# KiCad board FD.02-01-2021.kicad_pcb (continued)
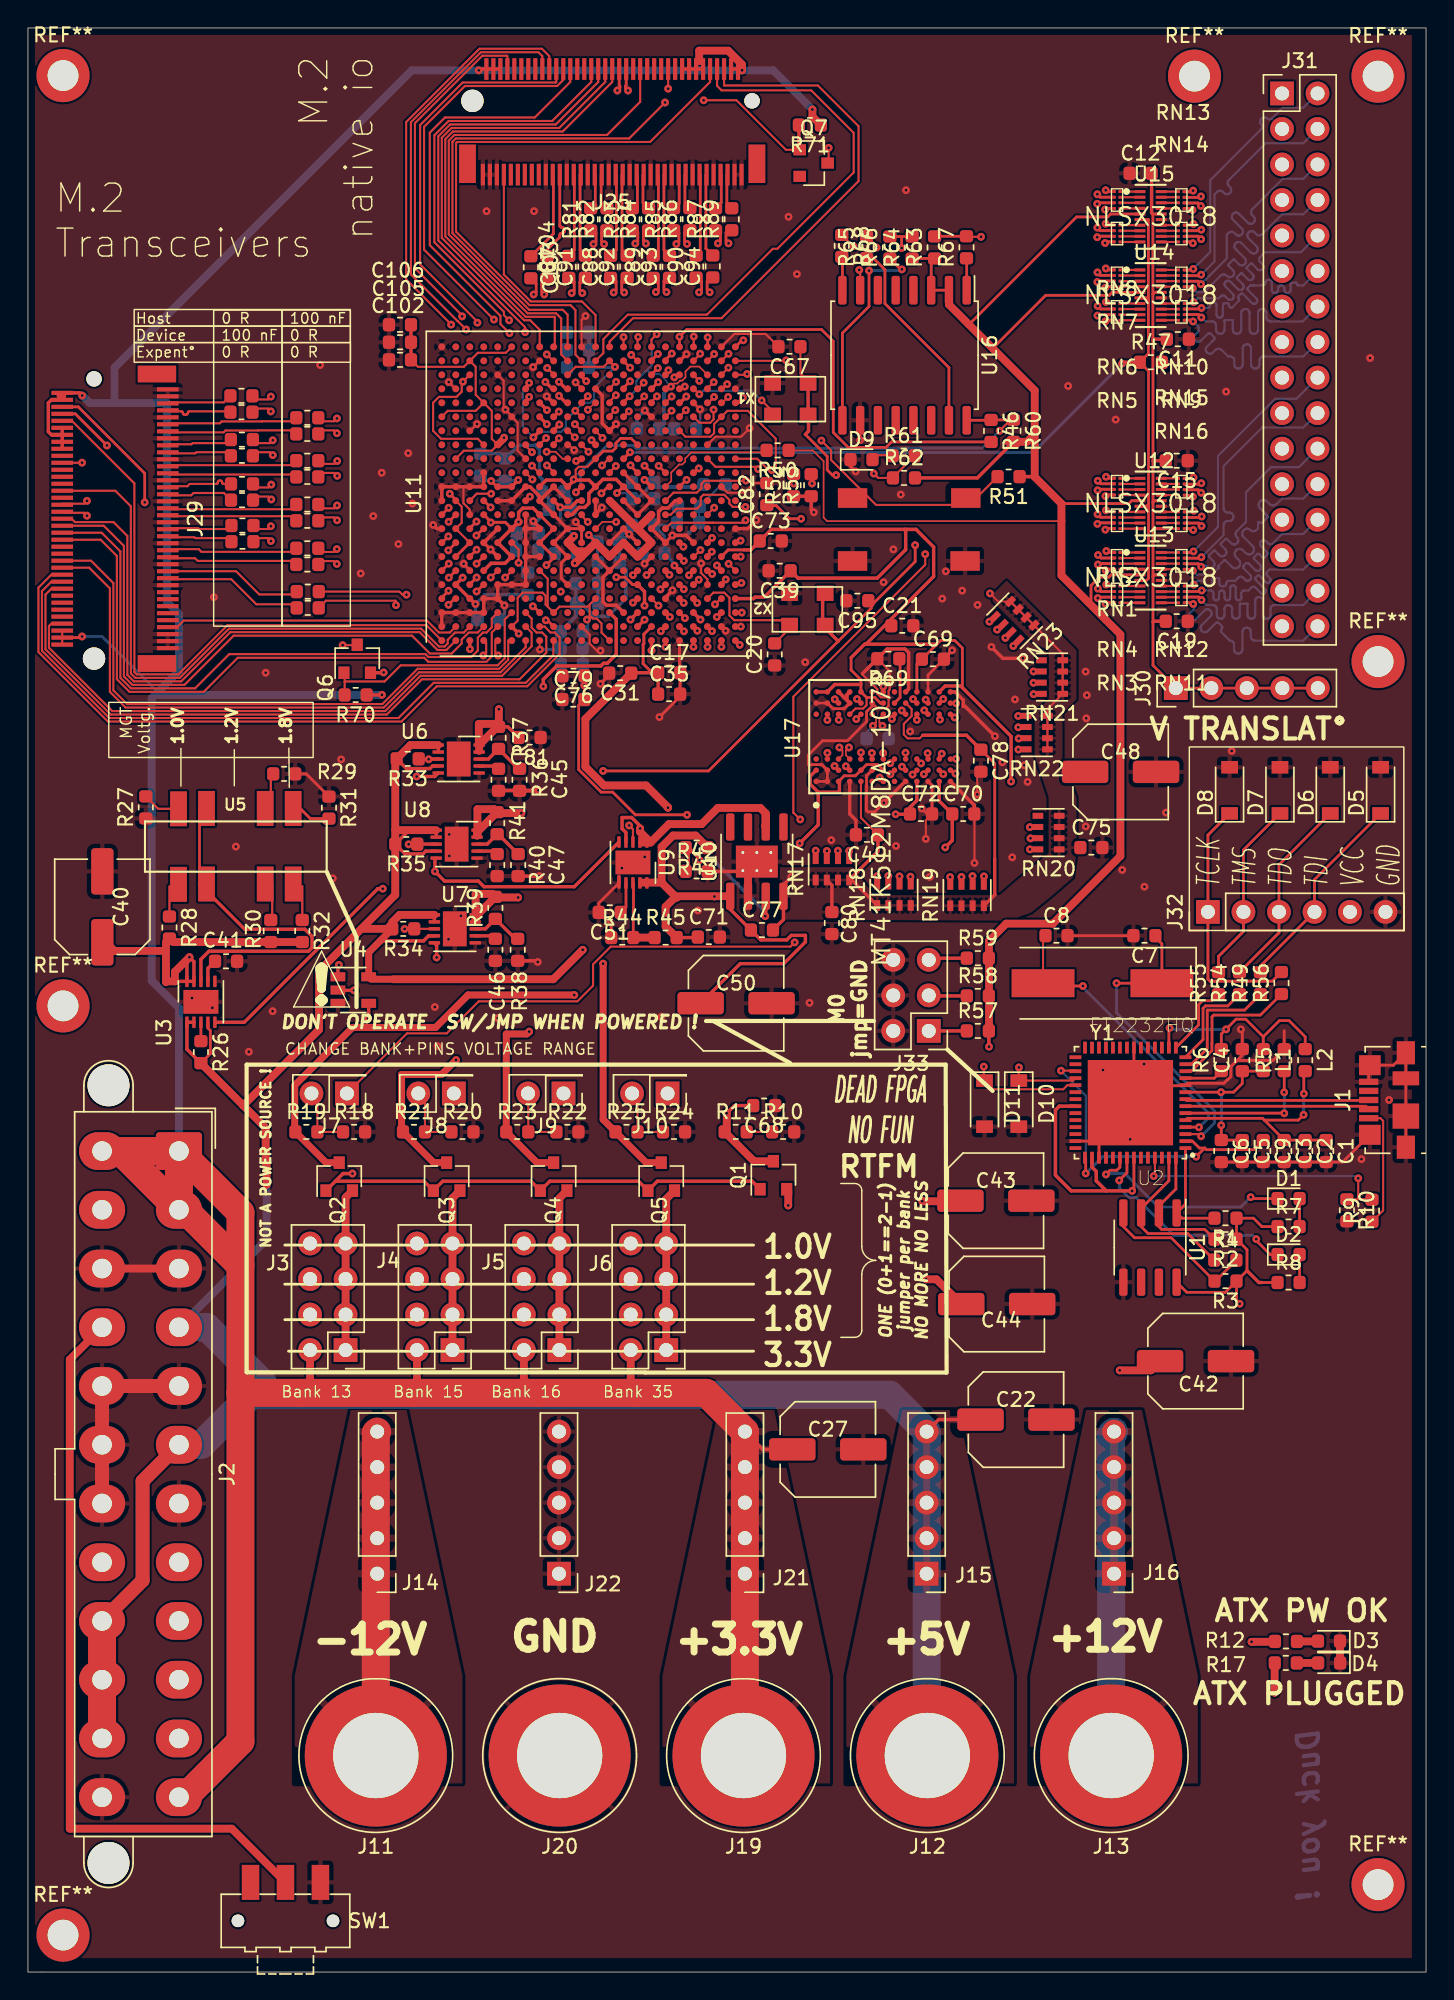
[diagram p0: board, top side]
## Routing (per net, layer and track width the routed paths; a pad name or vN(x,y) marks a point on that pad's centre or on a via; arc(x,y) is an arc through that point) (continued)
  Top w0.2: 44.02,124.37 44.02,123.77 v1(44.2,123.59)
  In4.Cu_SigDDR w0.1: v1(44.2,123.59) 44.2,120.23 42.6,118.63 41.97,118.63 40.28,116.94 40.28,116.21 38.72,114.65 38.72,110.91 38.64,110.83 38.64,108.23 37.13,106.72 v1(36.08,106.72)
M22_PRX2_P: length 22.7
  Top w0.15: 36.51,107.24 v1(36.05,107.7)
  Top w0.2: v1(43.44,123.59) 43.62,123.77 43.62,124.37 43.24,124.75
  In4.Cu_SigDDR w0.1: v1(43.44,123.59) 43.44,119.89 42.48,118.93 41.84,118.93 39.98,117.07 39.98,116.43 38.47,114.92 38.47,110.94 38.44,110.91 38.44,108.4 37.33,107.29 36.46,107.29 v1(36.05,107.7)
M22_PRX3_N: length 12.5
  Top w0.2: 41.41,124.71 41.03,124.33 41.03,123.73 v1(41.21,123.55)
  Top w0.244: 39.6,114.08 v1(39.93,113.75)
  In2.Cu_SigDDR w0.1: v1(41.21,123.55) 40.85,123.19 40.85,118.2 40.85,118.16 40.86,118.13 40.88,118.1 40.91,118.08 40.93,118.06 40.96,118.05 41.03,118.04 41.06,118.03 41.09,118.02 41.11,117.99 41.13,117.96 41.14,117.93 41.15,117.9 41.15,117.8 41.14,117.76 41.13,117.73 41.11,117.7 41.09,117.68 41.06,117.66 41.03,117.65 40.96,117.64 40.93,117.63 40.91,117.62 40.88,117.59 40.86,117.56 40.85,117.53 40.85,117.5 40.85,117.38 40.35,116.88 40.35,114.17 v1(39.93,113.75)
M22_PRX3_P: length 12.4
  Top w0.15: 39.61,113.22 v1(39.17,113.66)
  Top w0.2: 40.25,124.71 40.63,124.33 40.63,123.73 v1(40.45,123.55)
  In2.Cu_SigDDR w0.1: v1(39.17,113.66) 40.05,114.54 40.05,117.11 40.45,117.51 v1(40.45,123.55)
M22_PTX0F_N: length 18
  Top w0.15: 40.6,110.18 v1(41.09,109.69)
  Top w0.2: v1(48.76,120.1) 48.58,120.28 48.58,120.88 48.96,121.26
  In4.Cu_SigDDR w0.1: v1(41.09,109.69) 41.55,110.15 41.55,116.8 42.38,117.63 45.86,117.63 46.68,118.46 46.8,118.46 48.01,119.67 48.33,119.67 v1(48.76,120.1)
M22_PTX0F_P: length 18
  Top w0.1: 40.6,109.24 v1(40.31,109.53)
  Top w0.2: 47.8,121.26 48.18,120.88 48.18,120.28 v1(48,120.1)
  In4.Cu_SigDDR w0.1: v1(48,120.1) 45.83,117.93 42.26,117.93 41.21,116.88 41.21,112.22 41.21,112.2 41.2,112.18 41.19,112.16 41.18,112.15 41.16,112.14 41.14,112.13 41.1,112.13 41.08,112.12 41.07,112.11 41.05,112.1 41.04,112.08 41.04,112.06 41.03,112.04 41.03,111.62 41.04,111.6 41.04,111.58 41.05,111.56 41.07,111.55 41.08,111.54 41.1,111.53 41.12,111.53 41.26,111.53 41.27,111.53 41.28,111.53 41.29,111.52 41.3,111.51 41.31,111.5 41.31,111.49 41.31,111.48 41.31,110.98 41.31,110.97 41.31,110.96 41.3,110.95 41.29,110.94 41.28,110.93 41.27,110.93 41.25,110.93 41.24,110.93 41.23,110.92 41.22,110.91 41.21,110.9 41.21,110.89 41.21,110.88 41.21,110.74 40.31,109.84 v1(40.31,109.53)
M22_PTX1F_N: length 12.2
  Top w0.15: 41.6,113.23 v1(42.07,113.7)
  Top w0.2: 45.87,121.28 45.49,120.9 45.49,120.3 v1(45.67,120.12)
  In2.Cu_SigDDR w0.1: v1(45.67,120.12) 43.23,117.68 42.57,117.68 41.4,116.51 41.4,115.75 41.4,115.71 41.42,115.67 41.44,115.64 41.47,115.61 41.51,115.58 41.55,115.57 41.63,115.56 41.67,115.55 41.71,115.52 41.74,115.49 41.76,115.46 41.77,115.42 41.78,115.38 41.78,115.25 41.77,115.21 41.76,115.17 41.74,115.14 41.71,115.11 41.67,115.08 41.63,115.07 41.59,115.06 41.35,115.06 41.34,115.06 41.33,115.06 41.32,115.05 41.31,115.05 41.3,115.04 41.3,115.03 41.3,115.02 41.3,114.62 41.3,114.6 41.3,114.59 41.31,114.58 41.32,114.58 41.33,114.57 41.34,114.57 41.35,114.56 41.4,114.56 41.4,114.55 41.51,114.55 41.54,114.55 41.56,114.54 41.59,114.53 41.6,114.51 41.62,114.49 41.63,114.47 41.63,114.44 41.63,114.17 41.63,114.14 41.62,114.12 41.6,114.1 41.59,114.08 41.56,114.07 41.54,114.06 41.49,114.05 41.46,114.04 41.44,114.03 41.42,114.01 41.41,113.99 41.4,113.97 41.4,113.94 41.4,113.81 41.51,113.7 v1(42.07,113.7)
M22_PTX1F_P: length 12.1
  Top w0.15: 41.6,112.29 v1(42.05,112.74)
  Top w0.2: 45.09,120.9 45.09,120.3 v1(44.91,120.12)
  In2.Cu_SigDDR w0.1: v1(42.05,112.74) 41.1,113.69 41.1,116.64 42.43,117.97 43.14,117.97 43.68,118.51 43.71,118.55 43.73,118.59 43.74,118.63 43.74,118.67 43.73,118.71 43.71,118.75 43.66,118.82 43.64,118.86 43.63,118.9 43.63,118.94 43.64,118.99 43.66,119.03 43.68,119.06 43.69,119.07 43.73,119.1 43.76,119.12 43.81,119.12 43.85,119.12 43.89,119.12 43.93,119.1 44,119.04 44.04,119.02 44.08,119.01 44.12,119.01 44.17,119.02 44.21,119.04 44.24,119.07 44.25,119.08 44.28,119.11 44.29,119.15 44.3,119.19 44.3,119.24 44.29,119.28 44.28,119.32 44.22,119.39 44.2,119.43 44.19,119.47 44.19,119.51 44.2,119.55 44.22,119.59 44.25,119.63 44.26,119.63 44.29,119.66 44.33,119.68 44.37,119.69 44.42,119.69 44.46,119.68 44.5,119.66 44.57,119.61 44.6,119.59 44.65,119.58 44.69,119.58 44.73,119.59 44.77,119.61 44.81,119.63 44.91,119.74 v1(44.91,120.12)
M22_PTX2F_N: length 11.5
  Top w0.2: v1(42.65,120.09) 42.47,120.27 42.47,120.87 42.85,121.25
  Top w0.244: 38.48,113.2 v1(37.98,113.7)
  In4.Cu_SigDDR w0.1: v1(37.98,113.7) 38,113.72 38,115.37 38.05,115.41 38.08,115.44 38.12,115.46 38.16,115.47 38.21,115.47 38.25,115.46 38.29,115.44 38.36,115.39 38.4,115.37 38.44,115.36 38.49,115.36 38.53,115.37 38.57,115.39 38.6,115.41 38.64,115.45 38.67,115.49 38.69,115.53 38.7,115.57 38.7,115.62 38.69,115.66 38.67,115.7 38.61,115.77 38.6,115.81 38.59,115.85 38.59,115.89 38.6,115.94 38.61,115.98 38.64,116.01 38.68,116.05 38.72,116.08 38.76,116.1 38.8,116.11 38.84,116.11 38.89,116.1 38.93,116.08 38.99,116.02 39.03,116 39.08,115.99 39.12,115.99 39.16,116 39.2,116.02 39.24,116.05 39.28,116.09 39.31,116.13 39.33,116.16 39.33,116.21 39.33,116.25 39.33,116.29 39.31,116.33 39.25,116.4 39.23,116.44 39.22,116.49 39.22,116.53 39.23,116.57 39.25,116.61 39.28,116.65 39.32,116.69 39.33,116.7 39.35,116.7 39.36,116.71 39.38,116.71 39.39,116.7 39.41,116.7 39.43,116.68 39.45,116.67 39.46,116.67 39.48,116.67 39.49,116.67 39.51,116.68 39.52,116.69 39.74,116.9 39.75,116.92 39.76,116.93 39.76,116.95 39.76,116.96 39.76,116.98 39.75,116.99 39.73,117.02 39.72,117.03 39.72,117.05 39.72,117.06 39.72,117.08 39.73,117.09 39.74,117.11 41.27,118.64 41.27,118.71 v1(42.65,120.09)
M22_PTX2F_P: length 11.5
  Top w0.2: 41.69,121.25 42.07,120.87 42.07,120.27 v1(41.89,120.09)
  Top w0.244: 38.48,112.2 v1(37.98,112.7)
  In4.Cu_SigDDR w0.1: v1(41.89,120.09) 41.89,119.75 40.97,118.83 40.97,118.76 37.7,115.49 37.7,114.61 37.55,114.47 37.55,113.13 v1(37.98,112.7)
M22_PTX3F_N: length 11.3
  Top w0.15: 39.56,112.19 v1(40.04,112.67)
  Top w0.2: 39.85,121.2 39.47,120.82 39.47,120.22 v1(39.65,120.04)
  In2.Cu_SigDDR w0.1: v1(40.04,112.67) 39.52,112.67 38.73,113.46 38.73,114.91 39.42,115.6 39.43,115.64 39.44,115.69 39.46,115.72 39.5,115.76 39.53,115.78 39.58,115.79 39.66,115.81 39.71,115.82 39.74,115.84 39.78,115.88 39.8,115.91 39.81,115.96 39.82,116 39.82,116.2 39.81,116.24 39.8,116.29 39.78,116.32 39.74,116.36 39.71,116.38 39.66,116.39 39.62,116.4 39.37,116.4 39.36,116.4 39.35,116.4 39.34,116.41 39.33,116.42 39.32,116.43 39.32,116.44 39.32,116.45 39.32,116.95 39.32,116.96 39.32,116.97 39.33,116.98 39.34,116.99 39.35,117 39.36,117 39.38,117 39.39,117 39.4,117.01 39.41,117.02 39.42,117.03 39.42,117.04 39.42,117.05 39.42,119.81 v1(39.65,120.04)
M22_PTX3F_P: length 11.4
  Top w0.1: 40.55,112.2 v1(40.05,111.7)
  Top w0.2: v1(38.89,120.04) 39.07,120.22 39.07,120.82 38.69,121.2
  In2.Cu_SigDDR w0.1: v1(38.89,120.04) 39.1,119.83 39.1,115.76 38.48,115.14 38.48,113.27 v1(40.05,111.7)
M22_SMB_CLK: length 32.4
  Top w0.15: U11.H22 36.6,117.42 35.92,118.1 35.5,118.1 29.6,124 29.6,131.15 30.3,131.85 38,131.85 41.29,135.14 J25.40
M22_SMB_DATA: length 36.1
  Top w0.15: v1(35.56,117.25) 35.56,117.6 29.35,123.81 29.35,131.26 30.19,132.1 37.75,132.1 40.79,135.14 J25.42 ; 37.15,113.68 37.15,113.65
  Top w0.244: 37.5,113.2 v1(37.01,113.69)
  In2.Cu_SigDDR w0.15: v1(35.56,117.25) 36.39,117.25 36.68,116.96 36.68,116.19 36.45,115.96 36.45,115.39 36.68,115.16 36.68,114.02 v1(37.01,113.69)
M22_SMB_NALERT: length 39.2
  Top w0.15: 37.61,111.2 38.05,111.64 ; v1(34.42,118.1) 34.04,118.47 34.04,118.71 29.07,123.68 29.07,131.33 30.09,132.35 37.5,132.35 40.29,135.14 J25.44
  In4.Cu_SigDDR w0.15: v1(37.97,111.57) 37.97,111.72 37.55,112.14 36.9,112.14 36.62,112.42 36.62,113.41 36.55,113.47 36.55,113.91 36.59,113.94 36.59,117.69 36.18,118.1 v1(34.42,118.1)
M22_USBD_N: length 1.6
  Top w0.2: J25.34 42.79,134.9 42.74,134.85 42.74,134.71 v1(42.92,134.53)
M22_USBD_P: length 1.6
  Top w0.2: v1(42.16,134.53) 42.34,134.71 42.34,134.85 42.29,134.9 J25.36
M22_VIO: length 48.9
  Top w0.15: 38.74,116.34 U11.K22 38.6,118.5 38.25,118.85 35.84,118.85 30.36,124.33 30.36,130.85 30.61,131.1 43,131.1 v1(45.57,133.67) ; Q7.1 54.22,130.29 50.68,133.83 v1(48.33,133.83)
  Top w0.244: R71.2 55.14,130.35
  In4.Cu_SigDDR w0.15: v1(45.57,133.67) 45.73,133.83 v1(48.33,133.83)
M22_VIO_Q: length 15.7
  Top w0.15: J25.22 v1(45.79,134.66) ; v1(57.27,130.43) 57.27,129.41
  In2.Cu_SigDDR w0.15: v1(45.79,134.66) 53.04,134.66 v1(57.27,130.43)
RN1_5: length 38.3
  Top w0.21: v1(77.11,106.91) 77.21,106.81 77.73,106.81
  Top w0.244: 46.64,112.2 v1(47.09,112.65)
  In2.Cu_SigDDR w0.15: v1(47.09,112.65) 47.71,113.27 48.79,113.27 48.98,113.07 50.23,113.07 50.64,113.48 51.69,113.48 51.89,113.68 70.34,113.68 75.01,109.01 75.06,108.97 75.12,108.94 75.19,108.93 75.26,108.93 75.32,108.94 75.38,108.97 75.43,109.01 75.57,109.15 75.62,109.19 75.68,109.22 75.74,109.23 75.81,109.23 75.88,109.22 75.94,109.19 75.99,109.15 76.03,109.09 76.06,109.03 76.08,108.97 76.08,108.9 76.06,108.83 76.03,108.77 75.99,108.72 75.34,108.07 75.3,108.02 75.27,107.96 75.25,107.89 75.25,107.82 75.27,107.76 75.3,107.7 75.34,107.64 75.39,107.6 75.45,107.57 75.52,107.56 75.58,107.56 75.65,107.57 75.71,107.6 75.76,107.64 76.41,108.3 76.47,108.34 76.53,108.37 76.59,108.38 76.66,108.38 76.73,108.37 76.79,108.34 76.84,108.3 76.88,108.24 76.91,108.18 76.92,108.12 76.92,108.05 76.91,107.99 76.88,107.93 76.84,107.87 76.71,107.74 76.67,107.69 76.64,107.63 76.62,107.56 76.62,107.5 76.64,107.43 76.67,107.37 76.71,107.32 v1(77.11,106.91)
  B.Cu_GND_DDR w0.21: v1(77.11,106.91) 77.09,106.89
RN1_6: length 36.9
  Top w0.15: 49.66,112.2 v1(50.08,112.62)
  Top w0.21: 77.73,106.41 76.73,106.41 v1(76.52,106.63)
  In2.Cu_SigDDR w0.15: v1(50.08,112.62) 50.13,112.62 50.74,113.23 69.07,113.23 69.22,113.08 69.27,113.02 69.3,112.96 69.31,112.9 69.31,112.83 69.3,112.76 69.27,112.7 69.22,112.65 69.06,112.49 69.02,112.44 68.99,112.38 68.98,112.31 68.98,112.24 68.99,112.18 69.02,112.12 69.06,112.06 69.11,112.02 69.18,111.99 69.24,111.98 69.31,111.98 69.37,111.99 69.43,112.02 69.49,112.06 70.27,112.85 70.32,112.89 70.38,112.92 70.45,112.93 70.52,112.93 70.58,112.92 70.64,112.89 70.7,112.85 70.74,112.8 70.77,112.74 70.78,112.67 70.78,112.6 70.77,112.54 70.74,112.48 70.7,112.42 69.91,111.64 69.87,111.59 69.84,111.53 69.82,111.46 69.82,111.39 69.84,111.33 69.87,111.27 69.91,111.22 69.96,111.17 70.02,111.14 70.09,111.13 70.16,111.13 70.22,111.14 70.28,111.17 70.34,111.22 71.12,112 71.17,112.04 71.23,112.07 71.3,112.09 71.37,112.09 71.43,112.07 71.49,112.04 71.54,112 71.59,111.95 71.62,111.89 71.63,111.82 71.63,111.75 71.62,111.69 71.59,111.63 71.54,111.58 71.35,111.38 71.3,111.33 71.28,111.26 71.26,111.2 71.26,111.13 71.28,111.07 71.3,111.01 71.35,110.95 75.67,106.63 v1(76.52,106.63)
RN1_7: length 37
  Top w0.21: 77.73,106.01 76.58,106.01 v1(76.51,105.94)
  Top w0.244: v1(51.14,112.57) 50.77,112.2 U11.AB18
  In2.Cu_SigDDR w0.15: v1(51.14,112.57) 51.14,112.67 51.36,112.89 67.73,112.89 72.13,108.49 72.19,108.44 72.25,108.41 72.31,108.4 72.38,108.4 72.45,108.41 72.51,108.44 72.56,108.49 72.74,108.67 72.79,108.71 72.85,108.74 72.92,108.75 72.98,108.75 73.05,108.74 73.11,108.71 73.16,108.67 73.2,108.61 73.23,108.55 73.25,108.49 73.25,108.42 73.23,108.35 73.2,108.29 73.16,108.24 72.45,107.53 72.41,107.48 72.38,107.41 72.36,107.35 72.36,107.28 72.38,107.22 72.41,107.16 72.45,107.1 72.5,107.06 72.56,107.03 72.63,107.02 72.69,107.02 72.76,107.03 72.82,107.06 72.87,107.1 73.59,107.82 73.64,107.86 73.7,107.89 73.77,107.9 73.83,107.9 73.9,107.89 73.96,107.86 74.01,107.82 74.05,107.76 74.08,107.7 74.1,107.64 74.1,107.57 74.08,107.51 74.05,107.45 74.01,107.39 73.3,106.68 73.26,106.63 73.23,106.57 73.21,106.5 73.21,106.43 73.23,106.37 73.26,106.31 73.3,106.25 73.35,106.21 73.41,106.18 73.48,106.17 73.54,106.17 73.61,106.18 73.67,106.21 73.72,106.25 74.44,106.97 74.49,107.01 74.55,107.04 74.61,107.05 74.68,107.05 74.75,107.04 74.81,107.01 74.86,106.97 74.9,106.92 74.93,106.86 74.95,106.79 74.95,106.72 74.93,106.66 74.9,106.6 74.86,106.54 74.68,106.36 74.64,106.31 74.61,106.25 74.59,106.19 74.59,106.12 74.61,106.05 74.64,105.99 74.68,105.94 76.5,105.94 v1(76.51,105.94)
RN1_8: length 37
  Top w0.15: 48.66,112.2 v1(49.08,112.62)
  Top w0.21: 77.73,105.61 77.15,105.61 v1(77.07,105.53)
  In2.Cu_SigDDR w0.15: v1(49.08,112.62) 49.41,112.62 50.11,111.91 52.69,111.91 53.31,112.53 66.3,112.53 66.47,112.35 66.52,112.3 66.54,112.24 66.56,112.17 66.56,112.11 66.54,112.04 66.52,111.98 66.47,111.93 66.33,111.78 66.28,111.73 66.26,111.67 66.24,111.6 66.24,111.54 66.26,111.47 66.28,111.41 66.33,111.36 66.38,111.32 66.44,111.29 66.5,111.27 66.57,111.27 66.64,111.29 66.7,111.32 66.75,111.36 67.54,112.15 67.59,112.19 67.65,112.22 67.72,112.23 67.79,112.23 67.85,112.22 67.91,112.19 67.96,112.15 68.01,112.09 68.03,112.03 68.05,111.97 68.05,111.9 68.03,111.84 68.01,111.77 67.96,111.72 67.17,110.93 67.13,110.88 67.1,110.82 67.09,110.76 67.09,110.69 67.1,110.62 67.13,110.56 67.17,110.51 67.23,110.47 67.29,110.44 67.35,110.42 67.42,110.42 67.49,110.44 67.55,110.47 67.6,110.51 67.75,110.66 67.8,110.7 67.86,110.73 67.92,110.74 67.99,110.74 68.06,110.73 68.12,110.7 68.17,110.66 69.08,109.74 69.38,109.74 73.87,105.25 76.79,105.25 v1(77.07,105.53)
RN2_5: length 34.7
  Top w0.15: U11.AB21 54.2,115.2 v1(54.23,115.23)
  Top w0.21: v1(77.1,104.51) 77.2,104.41 77.72,104.41
  In4.Cu_SigDDR w0.15: v1(77.1,104.51) 76.77,104.84 75.51,104.84 67.89,112.46 67.85,112.51 67.82,112.57 67.81,112.63 67.81,112.69 67.82,112.75 67.85,112.8 67.89,112.85 68.05,113.02 68.09,113.07 68.12,113.12 68.13,113.18 68.13,113.24 68.12,113.3 68.09,113.36 68.05,113.41 68,113.44 67.95,113.47 67.89,113.49 67.83,113.49 67.77,113.47 67.71,113.44 67.66,113.41 67.24,112.98 67.22,112.97 67.2,112.96 67.18,112.96 67.16,112.96 67.14,112.96 67.12,112.97 67.11,112.98 66.85,113.24 66.84,113.26 66.83,113.28 66.82,113.3 66.82,113.32 66.83,113.34 66.84,113.36 66.85,113.37 67.27,113.8 67.31,113.84 67.34,113.9 67.35,113.96 67.35,114.02 67.34,114.08 67.31,114.14 67.27,114.18 67.22,114.22 67.17,114.25 67.11,114.26 67.05,114.26 66.99,114.25 66.93,114.22 66.88,114.18 66.52,113.83 66.52,113.83 66.45,113.77 66.44,113.75 66.42,113.75 66.4,113.74 66.38,113.74 66.36,113.75 66.34,113.75 66.32,113.77 66.06,114.03 66.05,114.04 66.04,114.06 66.04,114.08 66.04,114.1 66.04,114.12 66.05,114.14 66.08,114.17 66.09,114.19 66.09,114.21 66.09,114.23 66.09,114.25 66.08,114.27 66.06,114.28 65.12,115.23 v1(54.23,115.23)
  B.Cu_GND_DDR w0.21: v1(77.1,104.51) 77.08,104.49
RN2_6: length 35.1
  Top w0.15: U11.AA20 50.1,114.7 v1(50.1,114.71)
  Top w0.21: v1(76.51,104.23) 76.72,104.01 77.72,104.01
  In4.Cu_SigDDR w0.15: v1(76.51,104.23) 75.42,104.23 75.09,104.56 75.08,104.57 75.08,104.59 75.07,104.6 75.07,104.62 75.08,104.64 75.08,104.65 75.11,104.68 75.11,104.7 75.12,104.72 75.12,104.74 75.11,104.75 75.11,104.77 75.09,104.78 74.86,105.02 74.84,105.03 74.83,105.04 74.81,105.05 74.79,105.05 74.77,105.04 74.76,105.03 74.74,105.02 74.68,104.97 74.67,104.98 74.42,104.72 74.37,104.69 74.32,104.66 74.27,104.65 74.21,104.65 74.16,104.66 74.11,104.69 74.06,104.72 74.03,104.77 74,104.82 73.99,104.87 73.99,104.93 74,104.98 74.03,105.03 74.06,105.08 74.37,105.39 74.39,105.4 74.39,105.42 74.4,105.44 74.4,105.46 74.39,105.47 74.39,105.49 74.37,105.5 74.13,105.74 74.12,105.75 74.1,105.76 74.09,105.77 74.07,105.77 74.05,105.76 74.03,105.75 74.01,105.73 73.99,105.72 73.97,105.72 73.95,105.72 73.94,105.72 73.92,105.73 73.91,105.74 69.91,109.74 69.08,109.74 68.84,109.98 68.84,110.81 64.88,114.77 54.01,114.77 53.59,115.2 50.82,115.2 50.33,114.71 v1(50.1,114.71)
RN2_7: length 42.2
  Top w0.15: U11.R19 v1(44.04,113.64)
  Top w0.21: v1(76.5,103.54) 76.57,103.61 77.72,103.61
  In4.Cu_SigDDR w0.15: v1(76.5,103.54) 74.83,103.54 70.57,107.8 70.55,107.81 70.53,107.82 70.5,107.83 70.48,107.83 70.45,107.82 70.43,107.81 70.39,107.78 70.37,107.77 70.34,107.76 70.32,107.76 70.29,107.77 70.27,107.78 70.25,107.8 69.99,108.06 69.97,108.08 69.96,108.1 69.95,108.13 69.95,108.15 69.96,108.18 69.97,108.2 69.99,108.22 70.3,108.54 70.34,108.59 70.37,108.65 70.39,108.72 70.39,108.78 70.37,108.85 70.34,108.91 70.3,108.96 70.25,109 70.19,109.03 70.12,109.05 70.05,109.05 69.99,109.03 69.93,109 69.88,108.96 69.64,108.73 69.64,108.73 69.55,108.65 69.53,108.64 69.51,108.63 69.49,108.62 69.46,108.62 69.43,108.63 69.41,108.64 69.39,108.65 69.13,108.91 69.11,108.93 69.1,108.96 69.1,108.98 69.1,109.01 69.1,109.03 69.11,109.06 69.15,109.1 69.16,109.12 69.16,109.15 69.16,109.17 69.16,109.2 69.15,109.22 69.13,109.24 63.9,114.47 52.38,114.47 52.13,114.72 50.79,114.72 50.32,114.25 49.88,114.25 49,115.14 44.83,115.14 44.04,114.34 v1(44.04,113.64)
RN2_8: length 38.8
  Top w0.21: v1(77.06,103.13) 77.14,103.21 77.72,103.21
  In4.Cu_SigDDR w0.15: v1(77.06,103.13) 76.78,102.85 74.75,102.85 71.26,106.34 71.21,106.38 71.15,106.41 71.08,106.42 71.02,106.42 70.95,106.41 70.89,106.38 70.84,106.34 70.7,106.2 70.65,106.16 70.59,106.13 70.52,106.12 70.46,106.12 70.39,106.13 70.33,106.16 70.28,106.2 70.24,106.26 70.21,106.32 70.19,106.38 70.19,106.45 70.21,106.51 70.24,106.57 70.28,106.63 70.69,107.04 70.71,107.06 70.72,107.08 70.72,107.1 70.72,107.12 70.72,107.14 70.71,107.16 70.69,107.18 70.4,107.47 70.39,107.48 70.37,107.49 70.35,107.49 70.33,107.49 70.31,107.49 70.29,107.48 70.27,107.47 69.85,107.05 69.8,107.01 69.74,106.98 69.68,106.97 69.61,106.97 69.54,106.98 69.48,107.01 69.43,107.05 69.39,107.1 69.36,107.16 69.34,107.23 69.34,107.3 69.36,107.36 69.39,107.42 69.43,107.48 69.56,107.61 69.61,107.66 69.64,107.72 69.65,107.79 69.65,107.86 69.64,107.92 69.61,107.98 69.56,108.03 63.8,113.8 51.22,113.8 51.04,113.98 49.8,113.98 49.56,114.23 47.8,114.23 47.56,113.99 47.56,113.7 47.22,113.36 v1(46.98,113.36)
RN3_5: length 40.1
  Top w0.15: U11.U17 v1(46.03,111.63)
  Top w0.21: 77.74,99.1 77.22,99.1 v1(77.12,99.2)
  In4.Cu_SigDDR w0.15: v1(46.03,111.63) 46.45,111.21 47.28,111.21 47.3,111.24 62.77,111.24 72.49,101.52 72.54,101.48 72.6,101.45 72.67,101.44 72.73,101.44 72.8,101.45 72.86,101.48 72.91,101.52 73.03,101.64 73.09,101.68 73.15,101.71 73.21,101.73 73.28,101.73 73.34,101.71 73.4,101.68 73.46,101.64 73.5,101.59 73.53,101.53 73.54,101.46 73.54,101.4 73.53,101.33 73.5,101.27 73.46,101.22 73.08,100.84 73.07,100.83 73.07,100.82 73.06,100.81 73.06,100.79 73.07,100.78 73.07,100.77 73.08,100.76 73.42,100.42 73.43,100.41 73.44,100.4 73.46,100.4 73.47,100.4 73.48,100.4 73.5,100.41 73.51,100.42 73.88,100.79 73.93,100.84 73.99,100.86 74.06,100.88 74.13,100.88 74.19,100.86 74.25,100.84 74.31,100.79 74.35,100.74 74.38,100.68 74.39,100.62 74.39,100.55 74.38,100.48 74.35,100.42 74.31,100.37 74.19,100.25 74.14,100.2 74.11,100.14 74.1,100.07 74.1,100 74.11,99.94 74.14,99.88 74.19,99.83 74.43,99.58 76.74,99.58 v1(77.12,99.2)
  B.Cu_GND_DDR w0.21: v1(77.12,99.2) 77.1,99.18
RN3_6: length 45.8
  Top w0.15: 43.62,112.2 v1(44.08,112.66)
  Top w0.21: 77.74,98.7 76.74,98.7 v1(76.53,98.92)
  In4.Cu_SigDDR w0.15: v1(44.08,112.66) 45.78,110.96 62.19,110.96 70.51,102.64 70.54,102.61 70.58,102.6 70.61,102.59 70.65,102.59 70.69,102.6 70.73,102.61 70.79,102.66 70.82,102.68 70.86,102.69 70.9,102.69 70.94,102.68 70.97,102.66 71,102.64 71.18,102.46 71.21,102.43 71.22,102.4 71.23,102.36 71.23,102.32 71.22,102.28 71.21,102.25 71.18,102.22 70.71,101.74 70.66,101.69 70.63,101.63 70.62,101.56 70.62,101.49 70.63,101.43 70.66,101.37 70.71,101.31 70.76,101.27 70.82,101.24 70.88,101.23 70.95,101.23 71.02,101.24 71.08,101.27 71.13,101.31 71.61,101.79 71.64,101.82 71.67,101.83 71.71,101.84 71.75,101.84 71.79,101.83 71.82,101.82 71.85,101.79 72.03,101.61 72.05,101.58 72.07,101.55 72.08,101.51 72.08,101.47 72.07,101.43 72.05,101.4 72.03,101.37 71.55,100.89 71.51,100.84 71.48,100.78 71.47,100.71 71.47,100.64 71.48,100.58 71.51,100.52 71.55,100.47 71.61,100.42 71.67,100.39 71.73,100.38 71.8,100.38 71.87,100.39 71.93,100.42 71.98,100.47 72.4,100.89 72.42,100.9 72.44,100.91 72.46,100.92 72.48,100.92 72.5,100.91 72.52,100.9 72.54,100.89 72.83,100.61 72.84,100.59 72.85,100.57 72.85,100.55 72.85,100.52 72.85,100.5 72.84,100.48 72.83,100.46 72.4,100.04 72.36,99.99 72.33,99.93 72.32,99.86 72.32,99.8 72.33,99.73 72.36,99.67 72.4,99.62 72.46,99.58 72.52,99.55 72.58,99.53 72.65,99.53 72.71,99.55 72.77,99.58 72.83,99.62 73.18,99.97 73.29,100.08 73.31,100.1 73.34,100.11 73.37,100.12 73.41,100.12 73.44,100.11 73.47,100.1 73.5,100.08 73.71,99.86 73.73,99.84 73.75,99.81 73.75,99.77 73.75,99.74 73.75,99.71 73.73,99.68 73.69,99.63 73.67,99.6 73.67,99.56 73.67,99.53 73.67,99.5 73.69,99.47 73.71,99.44 74.13,99.02 75.63,99.02 75.73,98.92 v1(76.53,98.92)
RN3_7: length 44.6
  Top w0.15: 42.6,111.21 v1(42.98,111.59)
  Top w0.21: 77.74,98.3 76.59,98.3 v1(76.52,98.23)
  In4.Cu_SigDDR w0.15: v1(42.98,111.59) 44.73,109.84 56.42,109.84 56.56,109.99 61.62,109.99 64.28,107.33 64.32,107.28 64.34,107.23 64.36,107.17 64.36,107.11 64.34,107.06 64.32,107 64.24,106.91 64.22,106.86 64.2,106.8 64.2,106.74 64.22,106.68 64.24,106.63 64.28,106.58 64.33,106.53 64.38,106.5 64.43,106.47 64.49,106.46 64.55,106.46 64.6,106.47 64.66,106.5 64.7,106.53 64.89,106.72 64.92,106.69 65.18,106.96 65.24,107 65.3,107.03 65.36,107.05 65.43,107.05 65.49,107.03 65.56,107 65.61,106.96 65.65,106.91 65.68,106.85 65.69,106.78 65.69,106.72 65.68,106.65 65.65,106.59 65.61,106.54 65.15,106.08 65.12,106.04 65.09,105.98 65.08,105.93 65.08,105.87 65.09,105.81 65.12,105.76 65.15,105.71 65.21,105.66 65.25,105.62 65.3,105.6 65.36,105.58 65.42,105.58 65.48,105.6 65.53,105.62 65.58,105.66 66.03,106.11 66.08,106.15 66.15,106.18 66.21,106.2 66.28,106.2 66.34,106.18 66.4,106.15 66.46,106.11 66.5,106.06 66.53,106 66.54,105.93 66.54,105.87 66.53,105.8 66.5,105.74 66.46,105.69 66.4,105.63 66.36,105.58 66.33,105.52 66.32,105.45 66.32,105.39 66.33,105.32 66.36,105.26 66.4,105.21 73.38,98.23 v1(76.52,98.23)
RN3_8: length 45.6
  Top w0.15: 41.6,111.27 v1(42.01,111.68)
  Top w0.21: v1(77.08,97.82) 77.16,97.9 77.74,97.9
  In4.Cu_SigDDR w0.15: v1(77.08,97.82) 76.8,97.54 76.03,97.54 75.79,97.78 72.53,97.78 72.23,98.08 72.19,98.13 72.16,98.19 72.14,98.26 72.14,98.33 72.16,98.39 72.19,98.45 72.23,98.5 72.24,98.51 72.28,98.56 72.31,98.62 72.32,98.69 72.32,98.76 72.31,98.82 72.28,98.88 72.24,98.93 72.18,98.98 72.12,99.01 72.06,99.02 71.99,99.02 71.92,99.01 71.86,98.98 71.81,98.93 71.13,98.25 71.08,98.21 71.02,98.18 70.95,98.17 70.88,98.17 70.82,98.18 70.76,98.21 70.7,98.25 70.66,98.3 70.63,98.36 70.62,98.43 70.62,98.5 70.63,98.56 70.66,98.62 70.7,98.68 71.39,99.36 71.43,99.41 71.46,99.47 71.47,99.54 71.47,99.6 71.46,99.67 71.43,99.73 71.39,99.78 71.33,99.82 71.27,99.85 71.21,99.87 71.14,99.87 71.08,99.85 71.02,99.82 70.96,99.78 70.96,99.78 70.9,99.74 70.84,99.71 70.78,99.69 70.71,99.69 70.65,99.71 70.59,99.74 70.53,99.78 61.26,109.04 44.65,109.04 v1(42.01,111.68)
RN4_5: length 40.9
  Top w0.15: 45.58,112.19 v1(46.04,112.65)
  Top w0.21: 77.75,101.5 77.23,101.5 v1(77.13,101.6)
  In2.Cu_SigDDR w0.15: v1(77.13,101.6) 76.78,101.95 75.85,101.95 75.51,102.29 75.47,102.34 75.44,102.4 75.42,102.47 75.42,102.54 75.44,102.6 75.47,102.66 75.51,102.71 75.74,102.95 75.78,103 75.81,103.06 75.83,103.12 75.83,103.19 75.81,103.26 75.78,103.32 75.74,103.37 75.69,103.41 75.63,103.44 75.56,103.46 75.5,103.46 75.43,103.44 75.37,103.41 75.32,103.37 74.76,102.81 74.73,102.79 74.7,102.77 74.66,102.76 74.62,102.76 74.59,102.77 74.55,102.79 74.53,102.81 74.33,103 74.31,103.03 74.29,103.06 74.29,103.1 74.29,103.14 74.29,103.17 74.31,103.21 74.33,103.23 74.89,103.79 74.94,103.85 74.96,103.91 74.98,103.97 74.98,104.04 74.96,104.11 74.94,104.17 74.89,104.22 74.84,104.26 74.78,104.29 74.71,104.3 74.65,104.3 74.58,104.29 74.52,104.26 74.47,104.22 74.24,103.99 74.18,103.95 74.12,103.92 74.06,103.9 73.99,103.9 73.93,103.92 73.87,103.95 73.81,103.99 67.64,110.16 67.16,110.16 65.18,112.13 53.26,112.13 52.8,111.66 49.97,111.66 49.44,112.19 49.31,112.19 49.29,112.16 48.86,112.16 48.84,112.19 46.5,112.19 v1(46.04,112.65)
  B.Cu_GND_DDR w0.21: v1(77.13,101.6) 77.11,101.58
RN4_6: length 38.2
  Top w0.15: U11.W17 48.03,110.77 48.8,110.77 49.04,111.01 v1(49.04,111.71)
  Top w0.21: v1(76.54,101.32) 76.75,101.1 77.75,101.1
  In2.Cu_SigDDR w0.15: v1(76.54,101.32) 75.33,101.32 75.13,101.52 75.09,101.57 75.06,101.63 75.04,101.7 75.04,101.77 75.06,101.83 75.09,101.89 75.17,102 75.2,102.06 75.22,102.12 75.22,102.19 75.2,102.26 75.17,102.32 75.13,102.37 75.08,102.41 75.02,102.44 74.95,102.45 74.88,102.45 74.82,102.44 74.76,102.41 74.71,102.37 74.33,102 74.3,101.97 74.25,101.94 74.2,101.93 74.15,101.93 74.1,101.94 74.06,101.97 74.02,102 73.91,102.1 73.88,102.14 73.86,102.19 73.85,102.24 73.85,102.29 73.86,102.34 73.88,102.38 73.91,102.42 74.14,102.65 74.15,102.67 74.16,102.69 74.17,102.71 74.17,102.73 74.16,102.76 74.15,102.78 74.14,102.79 73.86,103.08 73.84,103.09 73.82,103.1 73.8,103.1 73.78,103.1 73.75,103.1 73.73,103.09 73.72,103.08 73.49,102.85 73.45,102.81 73.4,102.79 73.35,102.78 73.3,102.78 73.25,102.79 73.21,102.81 73.17,102.85 73.06,102.95 73.03,102.99 73.01,103.04 73,103.09 73,103.14 73.01,103.19 73.03,103.23 73.09,103.31 73.11,103.35 73.13,103.4 73.13,103.45 73.11,103.5 73.09,103.55 73.06,103.59 64.88,111.77 53.25,111.77 52.9,111.41 49.33,111.41 v1(49.04,111.71)
